# Altium PCB MB1367C-for mechanical-drawing.PcbDoc (part 4 of 5)
Units mm, origin at the board's own origin, x right, y up, seen from the top; angles counter-clockwise.
Board outline 70 x 82.5 mm, 4 copper layers (Top Layer, Signal Layer 1, Signal Layer 2, Bottom Layer), stack 1.614 mm thick; 191 components, 143 nets, 808 pads, 920 vias.
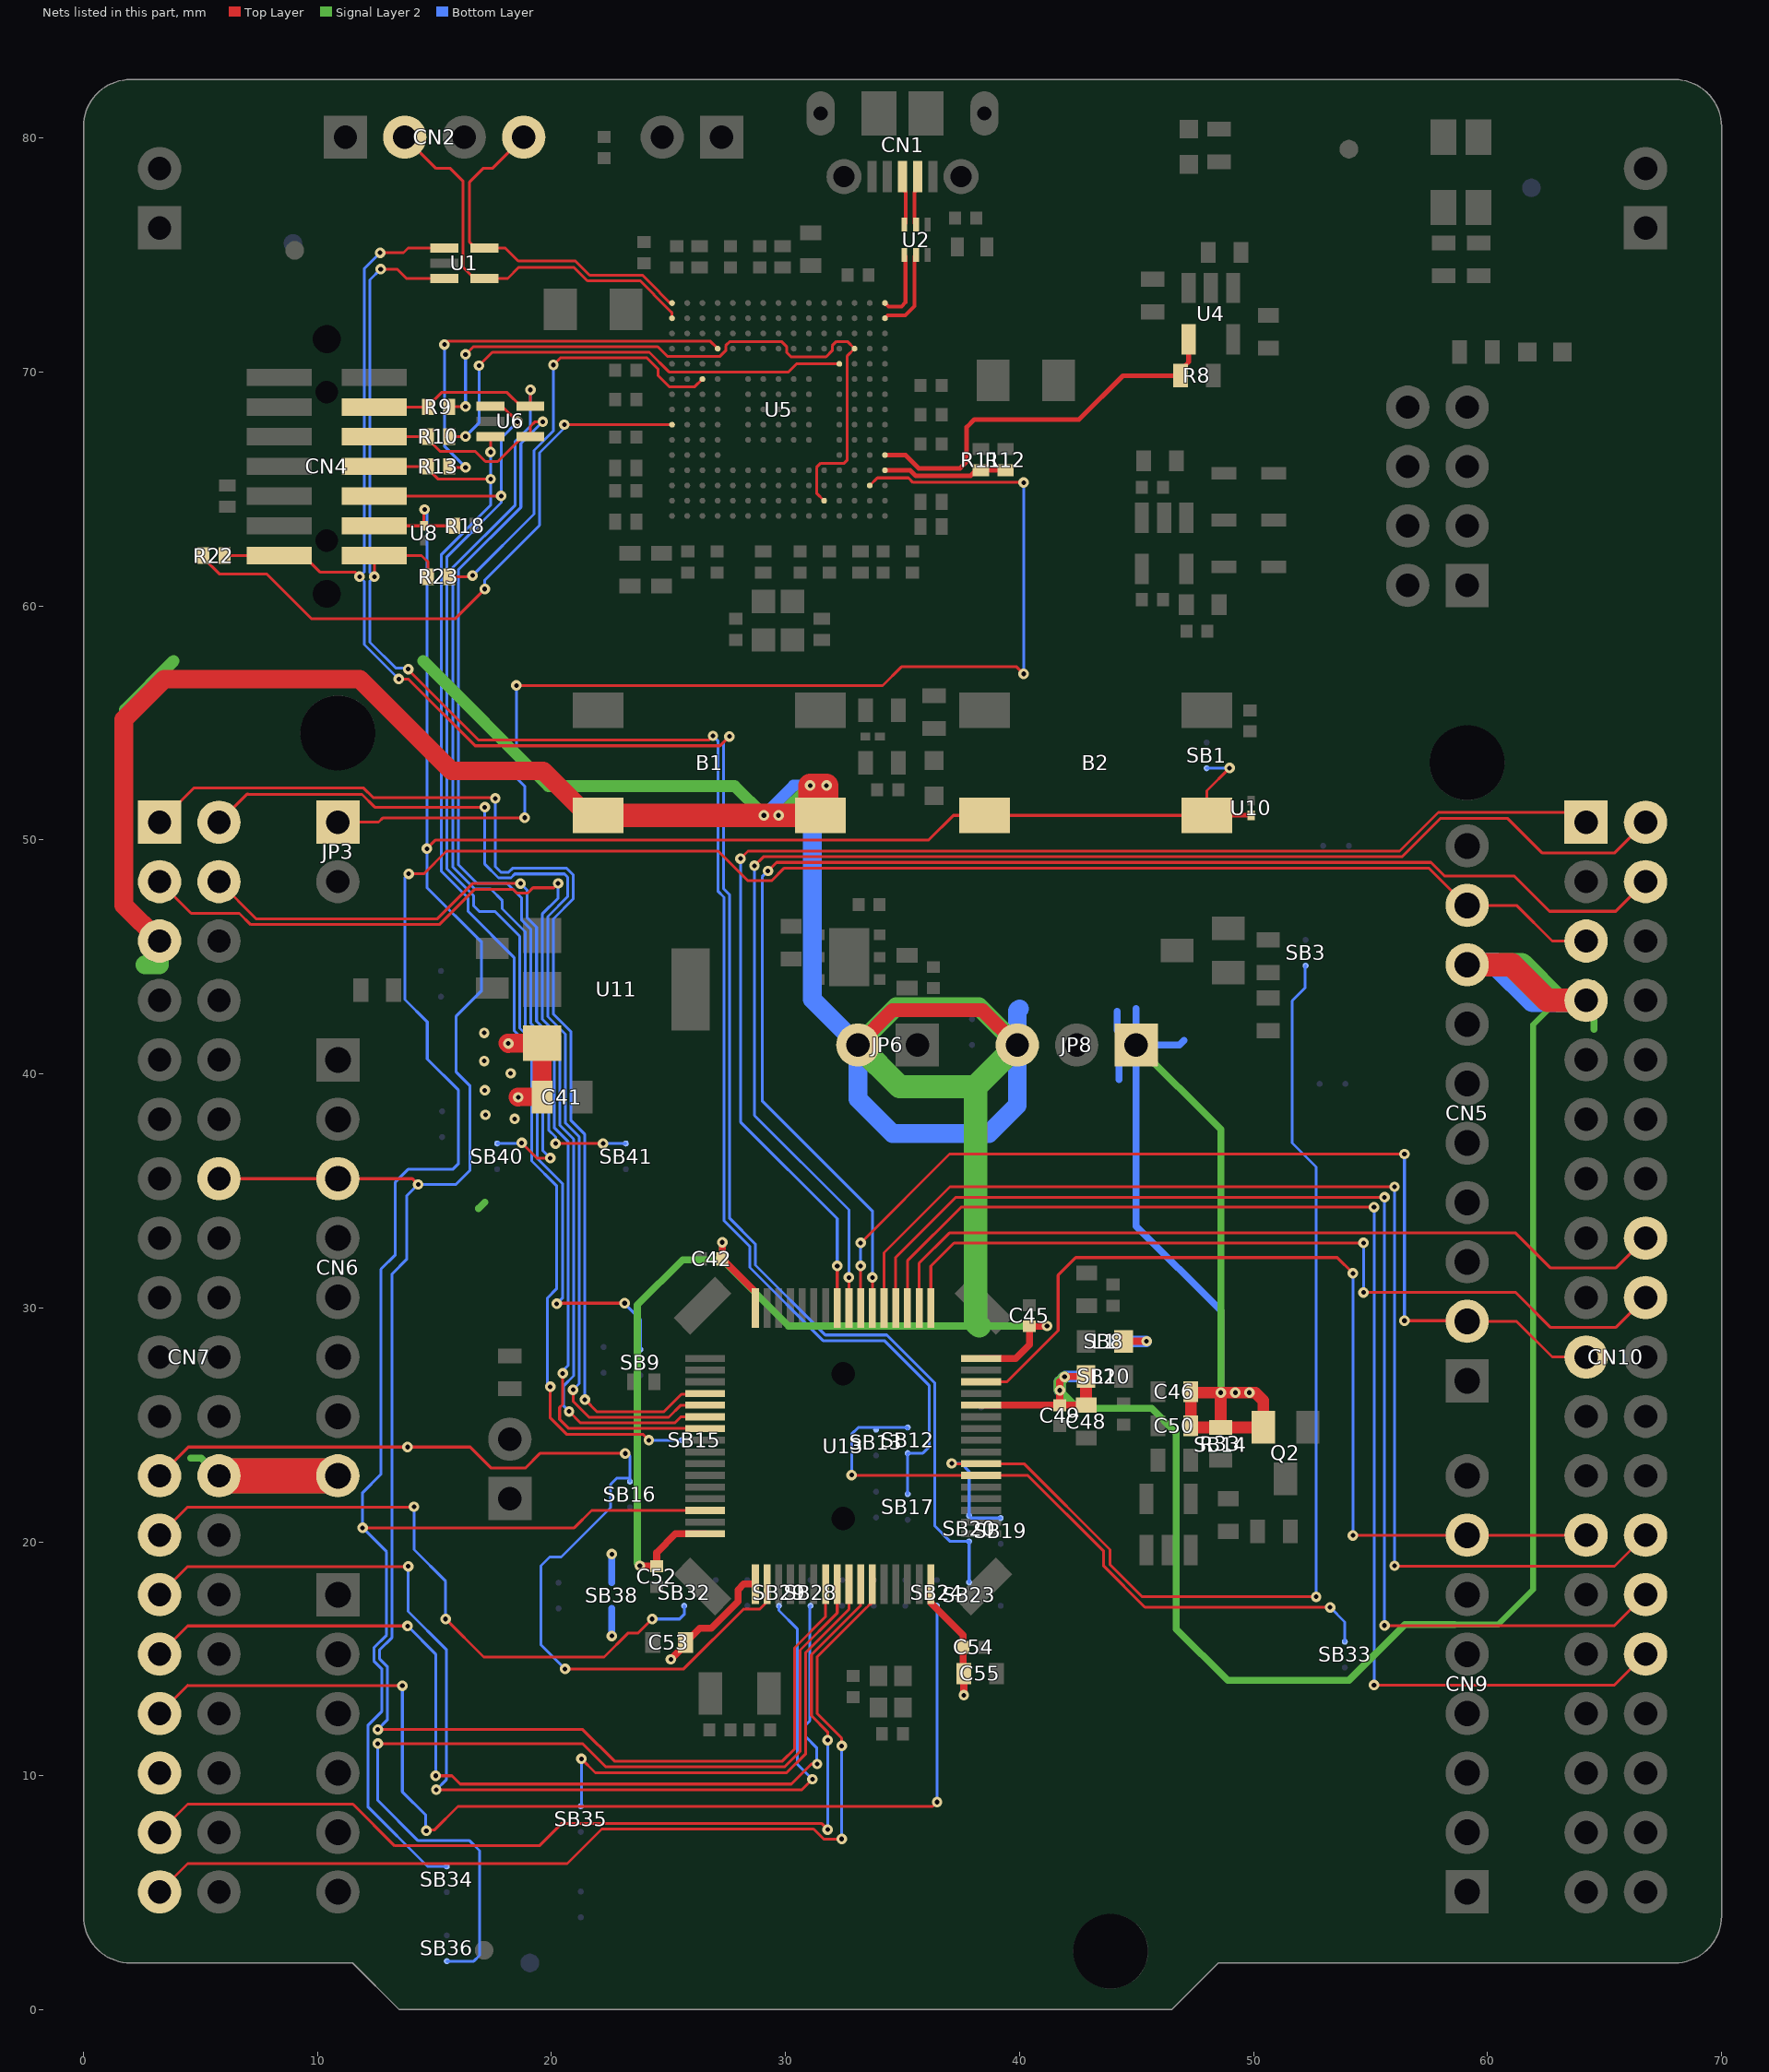
[diagram p6: the nets of this part, all layers, seen from the top]

## Via types
v1: diameter 0.45, hole 0.2, Top Layer to Bottom Layer, tented both sides, 920 vias

## Nets (pads, with @x,y where several pads share a name; then routed paths per layer and width w, separated by ;. In a path a pad name is that pad's centre, name@x,y a point inside that pad or via, vN(x,y) a via of type N, cw(c..) or ccw(c..) an arc to the next point about the centre after c; other vN are vias at no path point) (continued)
PB9: CN5.9 CN10.5 SB34.2 U13.62 | length 116.9
  Top Layer w0.12: v1(11.925,20.6) 20.975,20.6 21.715,21.34 U13.62@26.56,21.34 ; v1(13.895,48.55) 14.539,48.55 15.509,49.52 27.13,49.52 28.38,48.27 29.418,48.27 29.948,48.8 57.486,48.8 59.082,47.204 CN5.9@59.13,47.204 61.241,47.204 62.765,45.68 CN10.5@64.21,45.68
  Bottom Layer w0.12: v1(13.895,48.55) 13.736,48.391 13.736,43.175 14.69,42.221 14.69,40.637 16.025,39.302 16.025,36.17 15.775,35.92 13.866,35.92 13.325,35.379 13.325,32.268 12.71,31.653 12.71,22.885 11.925,22.1 v1(11.925,20.6) 12.95,19.575 12.95,16.014 12.405,15.469 12.405,14.908 12.74,14.573 12.74,12.74 12.15,12.15 12.15,8.675 14.7,6.125 SB34.2@15.525,6.125
PB10: CN9.7 CN10.25 U13.30 | length 40.9
  Top Layer w0.12: U13.30@38.36,26.84 39.465,26.84 41.65,29.025 41.65,31.4 42.4,32.15 53.575,32.15 v1(54.25,31.475) ; v1(54.25,20.275) 55.55,20.275 55.555,20.28 CN9.7@59.13,20.28 CN10.25@64.21,20.28
  Bottom Layer w0.12: v1(54.25,20.275) v1(54.25,31.475)
PB11: CN10.18 U13.33 | length 36
  Top Layer w0.12: U13.33@36.21,29.99 36.21,31.785 37.2,32.775 v1(54.7,32.775) ; v1(54.7,30.66) 61.2,30.66 62.7,29.16 65.47,29.16 CN10.18@66.75,30.44
  Bottom Layer w0.12: v1(54.7,30.66) v1(54.7,32.775)
PB12: CN10.16 U13.34 | length 34.6
  Top Layer w0.12: U13.34@35.71,29.99 35.71,31.91 37,33.2 61.2,33.2 62.7,31.7 65.47,31.7 CN10.16@66.75,32.98
PB13: CN10.30 U13.35 | length 55.5
  Top Layer w0.12: U13.35@35.21,29.99 35.21,32.01 37.5,34.3 v1(55.15,34.3) ; v1(55.15,13.875) 55.595,13.875 55.6,13.88 65.43,13.88 CN10.30@66.75,15.2
  Bottom Layer w0.12: v1(55.15,13.875) v1(55.15,34.3)
PB14: CN10.28 U13.36 | length 54.1
  Top Layer w0.12: U13.36@34.71,29.99 34.71,32.16 37.275,34.725 v1(55.6,34.725) ; v1(55.6,16.425) 55.605,16.42 65.43,16.42 CN10.28@66.75,17.74
  Bottom Layer w0.12: v1(55.6,16.425) v1(55.6,34.725)
PB15: CN10.26 U13.37 | length 52.8
  Top Layer w0.12: U13.37@34.21,29.99 34.21,32.36 37.025,35.175 v1(56.025,35.175) ; v1(56.025,18.975) 56.04,18.96 65.43,18.96 CN10.26@66.75,20.28
  Bottom Layer w0.12: v1(56.025,18.975) v1(56.025,35.175)
PC0: SB36.1 U13.8 | length 40.2
  Top Layer w0.12: v1(12.575,11.375) 21.325,11.375 22.315,10.385 29.967,10.385 30.625,11.043 30.625,15.372 32.21,16.957 U13.8@32.21,18.19
  Bottom Layer w0.12: v1(12.575,11.375) 12.575,8.95 14.3,7.225 16.5,7.225 16.925,6.8 16.925,2.325 16.675,2.075 SB36.1@15.525,2.075
PC1: SB35.1 U13.9 | length 20.2
  Top Layer w0.12: v1(21.275,10.725) 21.875,10.125 30.046,10.125 30.865,10.944 30.865,15.273 32.71,17.118 U13.9@32.71,18.19
  Bottom Layer w0.12: SB35.1@21.25,8.7 21.275,8.725 v1(21.275,10.725)
PC2: CN7.35 U13.10 | length 41.9
  Top Layer w0.12: CN7.35@3.25,7.58 4.455,8.785 11.515,8.785 13.295,7.005 19.48,7.005 20.44,7.965 31.535,7.965 v1(31.8,7.7) ; v1(31.8,11.525) 31.8,11.874 31.105,12.569 31.105,15.173 33.21,17.278 U13.10@33.21,18.19
  Bottom Layer w0.12: v1(31.8,7.7) v1(31.8,11.525)
PC3: CN7.37 U13.11 | length 42.8
  Top Layer w0.12: CN7.37@3.25,5.04 4.455,6.245 20.672,6.245 22.152,7.725 31.2,7.725 31.63,7.295 32.38,7.295 32.4,7.275 v1(32.4,7.3) ; v1(32.4,11.275) 32.4,11.613 31.345,12.668 31.345,15.074 33.431,17.16 33.435,17.16 33.54,17.265 33.54,17.269 33.586,17.315 33.615,17.315 33.71,17.41 U13.11@33.71,18.19
  Bottom Layer w0.12: v1(32.4,7.3) v1(32.4,11.275)
PC4: SB12.2 SB13.1 SB33.2 U13.22 | length 29.3
  Top Layer w0.12: v1(32.825,22.85) 32.835,22.84 40.353,22.84 43.595,19.598 43.595,18.962 45.357,17.2 v1(53.275,17.2)
  Bottom Layer w0.12: v1@32.825,22.825 v1(32.825,22.85) 32.825,24.6 33.115,24.89 SB12.2@35.22,24.89 SB12.2@35.22,24.805 ; v1(53.275,17.2) 53.9,16.575 SB33.2@53.9,15.725
PC5: SB3.2 SB19.1 SB20.2 U13.23 | length 50.1
  Top Layer w0.12: v1@37.075,23.35 37.085,23.34 40.193,23.34 43.87,19.663 43.87,19.026 45.246,17.65 v1(52.675,17.65)
  Bottom Layer w0.12: v1(37.1,23.35) 37.5,23.35 37.845,23.005 SB20.2@37.845,21.115 37.945,21.015 SB19.1@39.195,21.015 ; SB3.2@52.225,44.625 52.2,44.6 52.2,43.675 51.65,43.125 51.65,37.05 52.675,36.025 v1(52.675,17.65)
PC6: CN10.4 U13.38 | length 59.8
  Top Layer w0.12: v1(29.25,48.675) 29.615,49.04 57.585,49.04 58.175,48.45 61.15,48.45 62.65,46.95 65.48,46.95 CN10.4@66.75,48.22 ; U13.38@33.71,29.99 v1(33.71,31.3)
  Bottom Layer w0.12: v1(29.25,48.675) 29,48.425 29,38.85 33.71,34.14 v1(33.71,31.3)
PC7: CN5.2 CN10.19 U13.39 | length 43.1
  Top Layer w0.12: U13.39@33.21,29.99 v1(33.21,31.79) ; v1(33.21,32.775) 37.01,36.575 v1(56.45,36.575) ; v1(56.45,29.45) 59.104,29.45 CN5.2@59.13,29.424 61.241,29.424 62.765,27.9 CN10.19@64.21,27.9
  Bottom Layer w0.12: v1(33.21,31.79) v1(33.21,32.775) ; v1(56.45,29.45) v1(56.45,36.575)
PC8: CN10.2 U13.40 | length 60.7
  Top Layer w0.12: v1(28.673,48.9) 29.053,49.28 56.344,49.28 57.993,50.929 60.846,50.929 62.325,49.45 65.44,49.45 CN10.2@66.75,50.76 ; U13.40@32.71,29.99 v1(32.71,31.3)
  Bottom Layer w0.12: v1(28.673,48.9) 28.675,48.902 28.675,38.225 32.71,34.19 v1(32.71,31.3)
PC9: CN10.1 U13.41 | length 58
  Top Layer w0.12: v1(28.075,49.2) 28.395,49.52 56.245,49.52 57.9,51.175 63.795,51.175 CN10.1@64.21,50.76 ; U13.41@32.21,29.99 v1(32.21,31.79)
  Bottom Layer w0.12: v1(28.075,49.2) 28.075,37.95 32.21,33.815 v1(32.21,31.79)
PC10: CN7.1 U13.52 | length 50.7
  Top Layer w0.12: CN7.1@3.25,50.76 4.705,52.215 11.972,52.215 12.382,51.805 17.566,51.805 v1(17.596,51.775) ; v1(21.425,26.075) 21.94,25.56 24.8,25.56 25.55,26.31 26.56,26.31 U13.52@26.56,26.34
  Bottom Layer w0.12: v1(17.596,51.775) 17.596,48.86 17.833,48.622 18.169,48.622 18.334,48.787 20.649,48.787 20.93,48.507 20.93,47.478 20.08,46.628 20.08,42.551 20.835,41.796 20.835,38.001 21.425,37.411 v1(21.425,26.075)
PC11: CN7.2 U13.53 | length 48
  Top Layer w0.12: CN7.2@5.79,50.76 7.005,51.975 7.035,51.945 11.903,51.945 12.448,51.4 v1(17.15,51.4) ; v1(20.925,26.5) 20.925,26.002 21.607,25.32 25.005,25.32 25.525,25.84 U13.53@26.56,25.84
  Bottom Layer w0.12: v1(17.15,51.4) 17.15,48.966 17.734,48.382 18.268,48.382 18.433,48.547 20.55,48.547 20.69,48.407 20.69,47.578 19.84,46.728 19.84,42.451 20.595,41.696 20.595,37.901 21.185,37.311 21.185,26.76 v1(20.925,26.5)
PC12: CN7.3 U13.54 | length 48.5
  Top Layer w0.12: CN7.3@3.25,48.22 4.605,46.865 6.66,46.865 7.145,46.38 15.208,46.38 16.723,47.895 18.344,47.895 18.509,47.73 18.98,47.73 19.205,47.955 20.098,47.955 v1(20.285,48.142) ; v1(20.75,25.575) 21.245,25.08 25.265,25.08 25.525,25.34 U13.54@26.56,25.34
  Bottom Layer w0.12: v1(20.285,48.142) 20.275,48.15 20.275,47.502 19.6,46.827 19.6,42.352 20.355,41.597 20.355,37.802 20.945,37.212 20.945,27.093 20.52,26.668 20.52,25.805 v1(20.75,25.575)
PC13: CN7.23 SB16.2 U13.2 | length 43.7
  Top Layer w0.12: CN7.23@3.25,22.82 4.48,24.05 v1(13.85,24.05) 16.525,24.05 17.425,23.15 18.875,23.15 19.501,23.776 v1(23.151,23.776) ; v1(20.575,14.57) 25.65,14.57 28.205,17.125 28.9,17.125 29.21,17.435 U13.2@29.21,18.19
  Bottom Layer w0.12: v1(20.575,14.57) 19.55,15.595 19.55,18.975 19.925,19.35 20.417,19.35 22.525,21.458 22.525,22.45 22.8,22.725 23.35,22.725 ; v1(23.151,23.776) 23.249,23.776 23.35,23.675 23.35,22.725 ; SB16.2@23.35,22.575 23.35,22.725
PC14: CN7.25 SB32.1 | length 28.7
  Top Layer w0.12: CN7.25@3.25,20.28 4.455,21.485 14.11,21.485 v1(14.125,21.5) ; v1(15.475,16.7) 17.1,15.075 22.248,15.075 23.278,16.105 23.705,16.105 v1(24.3,16.7)
  Bottom Layer w0.12: v1(14.125,21.5) 14.125,19.664 15.475,18.314 v1(15.475,16.7) ; v1(24.3,16.7) 25.475,16.7 25.67,16.895 SB32.1@25.67,17.265
PC15: CN7.27 SB29.1 | length 45.8
  Top Layer w0.12: CN7.27@3.25,17.74 4.455,18.945 13.87,18.945 v1(13.875,18.95) ; v1(15.075,9.4) 15.08,9.405 30.705,9.405 v1(31.15,9.85)
  Bottom Layer w0.12: v1(13.875,18.95) 13.875,17.025 15.5,15.4 15.5,9.825 v1(15.075,9.4) ; SB29.1@29.72,17.265 29.72,17.065 30.5,16.285 30.5,10.5 v1(31.15,9.85)
PD2: CN7.4 U13.55 | length 44.4
  Top Layer w0.12: CN7.4@5.79,48.22 7.39,46.62 15.108,46.62 16.624,48.135 v1(18.677,48.135) ; v1(20.476,27.201) 20.476,25.874 20.345,25.743 20.345,25.234 20.739,24.84 U13.55@26.56,24.84
  Bottom Layer w0.12: v1(18.677,48.135) 18.965,47.847 18.965,46.666 19.36,46.271 19.36,42.252 20.115,41.497 20.115,37.702 20.705,37.112 20.705,27.53 20.476,27.301 v1(20.476,27.201)
PF0: CN7.29 SB28.1 | length 41.9
  Top Layer w0.12: CN7.29@3.25,15.2 4.455,16.405 13.845,16.405 v1(13.85,16.4) ; v1(15.05,10) 15.742,10 16.097,9.645 30.245,9.645 31.101,10.501 v1(31.352,10.501)
  Bottom Layer w0.12: v1(13.85,16.4) 15.05,15.2 v1(15.05,10) ; SB28.1@31.07,17.265 31.035,17.23 31.035,12.35 30.865,12.18 30.865,11.662 31.325,11.202 31.325,10.527 v1(31.352,10.501)
PF1: CN7.31 SB24.1 | length 48.3
  Top Layer w0.12: CN7.31@3.25,12.66 4.455,13.865 4.47,13.85 v1(13.625,13.85) ; v1(14.651,7.65) 14.675,7.675 14.989,7.675 15.999,8.685 36.285,8.685 v1(36.475,8.875)
  Bottom Layer w0.12: v1(13.625,13.85) 13.625,9.313 14.625,8.312 14.625,7.65 v1(14.651,7.65) ; SB24.1@36.47,17.265 36.425,17.22 36.475,17.17 v1(36.475,8.875)
STLK_SWCLK: CN2.2 U1.4 U5.A14 | length 17.3
  Top Layer w0.12: CN2.2@13.73,80.04 15.07,78.7 15.675,78.7 16.225,78.15 16.225,74.475 16.7,74 U1.4@17.125,74 18.125,74 18.605,74.48 20.95,74.48 21.53,73.9 23.795,73.9 24.375,73.32 24.375,73.294 25.024,72.645 25.03,72.645 25.15,72.525 U5.A14@25.15,72.3
STLK_SWDIO: CN2.4 U1.5 U5.A15 | length 15.4
  Top Layer w0.12: CN2.4@18.81,80.04 17.47,78.7 17.075,78.7 16.5,78.125 16.5,75.55 16.75,75.3 U1.5@17.125,75.3 18.025,75.3 18.575,74.75 21.019,74.75 21.629,74.14 23.894,74.14 24.615,73.419 24.615,73.399 25.064,72.95 U5.A15@25.15,72.95
STLK_VCP_RX: R23.1 U5.C10 | length 18.8
  Top Layer w0.12: R23.1@15.625,61.25 16.575,61.25 v1(16.627,61.302) ; v1(20.08,70.305) 20.075,70.305 20.375,70.605 24.081,70.605 24.555,70.13 24.555,69.845 25.025,69.375 26.125,69.375 U5.C10@26.45,69.7
  Bottom Layer w0.12: v1(16.627,61.302) 19.25,63.925 19.25,66.65 20.08,67.48 v1(20.08,70.305)
STLK_VCP_TX: R22.1 U5.A7 | length 26.8
  Top Layer w0.12: R22.1@5.125,62.15 5.125,62.05 5.8,61.375 7.825,61.375 9.75,59.45 15.875,59.45 v1(17.15,60.725) ; v1(20.55,67.75) U5.A7@25.15,67.75
  Bottom Layer w0.12: v1(17.15,60.725) 17.15,61.111 19.49,63.451 19.49,66.551 20.55,67.611 v1(20.55,67.75)
T_JTDI: CN4.10 SB9.1 U6.1 | length 53.5
  Top Layer w0.12: CN4.10@12.427,64.695 17.845,64.695 v1(17.85,64.7) ; U6.1@17.395,68.54 17.885,68.54 v1(18.55,67.875) ; v1(20.225,30.175) 20.25,30.2 v1(23.125,30.2)
  Bottom Layer w0.12: v1(18.55,67.875) 17.85,67.175 v1(17.85,64.7) 17.85,64.42 15.535,62.105 15.535,48.751 16.67,47.616 16.67,47.182 16.907,46.945 17.578,46.945 18.64,45.883 18.64,41.954 19.395,41.199 19.395,36.38 20.465,35.31 20.465,30.415 v1(20.225,30.175) ; v1(23.125,30.2) 23.1,30.2 23.795,29.505 SB9.1@23.795,28.215
T_NRST: B2.1 B2.2 CN4.12 CN6.3 CN7.14 R18.2 SB1.2 U8.1 U10.1 U13.7 | length 134.8
  Top Layer w0.12: CN7.14@5.79,35.52 CN6.3@10.87,35.52 14.055,35.52 v1(14.3,35.275) ; CN4.12@12.427,63.425 14.543,63.425 U8.1@14.545,63.427 ; v1(12.575,11.975) 21.336,11.975 22.686,10.625 29.867,10.625 30.385,11.143 30.385,15.471 31.71,16.796 U13.7@31.71,18.19 ; v1(14.575,64.125) 14.545,64.095 U8.1@14.545,63.427 ; v1(14.675,49.625) 15.05,50 36.125,50 37.175,51.05 B2.2@38.505,51.05 B2.1@48.005,51.05 ; R18.2@15.85,63.425 14.547,63.425 U8.1@14.545,63.427 ; B2.1@48.008,51.052 B2.1@48.005,51.05 ; v1(48.975,53.075) 48.005,52.105 B2.1@48.005,51.05
  Top Layer w0.2: B2.1@48.008,51.052 U10.1@49.895,51.052
  Bottom Layer w0.12: v1(12.575,11.975) 12.98,12.38 12.98,14.672 12.645,15.007 12.645,15.37 13.19,15.915 13.19,31.454 13.805,32.069 13.805,34.78 v1(14.3,35.275) 15.913,35.275 16.505,35.867 16.505,39.501 15.93,40.076 15.93,42.475 17.01,43.555 17.01,45.631 14.675,47.966 v1(14.675,49.625) 14.675,64.025 v1(14.575,64.125) ; SB1.2@47.995,53.065 48.965,53.065 v1(48.975,53.075)
T_NRSTa: JP3.1 U5.P3 | length 51
  Top Layer w0.12: JP3.1@10.87,50.76 12.61,50.76 12.8,50.95 v1(18.85,50.95) ; v1(18.5,56.6) 34.15,56.6 34.95,57.4 39.875,57.4 v1(40.175,57.1) ; U5.P3@33.6,65.15 33.925,65.475 35.251,65.475 35.446,65.28 40.145,65.28 40.15,65.275 v1(40.175,65.275)
  Bottom Layer w0.12: v1(18.5,56.6) 18.5,52.65 18.85,52.3 v1(18.85,50.95) ; v1(40.175,57.1) v1(40.175,65.275)
T_PWR_EN: R8.1 U4.4 U5.R5 | length 17.1
  Top Layer w0.2: U5.R5@34.25,66.45 35.125,66.45 35.695,65.88 37.455,65.88 37.745,66.17 37.745,67.645 38.075,67.975 42.55,67.975 44.42,69.845 R8.1@46.885,69.845 46.885,70.085 47.225,70.425 U4.4@47.225,71.395
T_PWR_EXT: R11.2 R12.2 U5.R4 | length 5.3
  Top Layer w0.2: U5.R4@34.25,65.8 35.322,65.8 35.562,65.56 37.91,65.56 38.15,65.8 R11.2@38.35,65.8 R12.2@39.4,65.8
T_SWCLK: CN4.6 R10.2 SB41.1 U6.4 | length 46.5
  Top Layer w0.12: CN4.6@12.427,67.235 14.715,67.235 R10.2@14.72,67.24 14.72,67.13 15.25,66.6 16.75,66.6 17.175,66.175 17.7,66.175 18.765,67.24 U6.4@19.095,67.24 19.095,67.67 19.3,67.875 v1(19.625,67.875) ; v1(20.175,37.025) v1(22.2,37.025)
  Bottom Layer w0.12: v1(19.625,67.875) 18.69,66.94 18.69,64.215 16.015,61.54 16.015,48.95 16.823,48.142 18.097,48.142 18.725,47.514 18.725,46.567 19.12,46.172 19.12,42.153 19.875,41.398 19.875,37.603 20.175,37.303 v1(20.175,37.025) ; v1(22.2,37.025) SB41.1@23.175,37.025
T_SWCLKa: R10.1 U5.M11 | length 20.1
  Top Layer w0.12: R10.1@15.62,67.24 16.315,67.24 v1(16.325,67.25) ; v1(16.9,70.275) 17.47,70.845 24.18,70.845 25.02,70.005 30.13,70.005 30.475,70.35 U5.M11@32.3,70.35
  Bottom Layer w0.12: v1(16.325,67.25) 16.9,67.825 v1(16.9,70.275)
T_SWDIO: CN4.4 R9.2 SB40.1 U6.5 | length 47
  Top Layer w0.12: CN4.4@12.427,68.505 R9.2@14.71,68.505 ; R9.2@14.75,68.525 14.75,68.575 15.3,69.125 18.1,69.125 18.685,68.54 U6.5@19.095,68.54 19.095,69.345 19.1,69.34 v1(19.1,69.24) ; v1(18.725,37.05) 19.375,36.4 v1(19.95,36.4)
  Bottom Layer w0.12: SB40.1@17.675,37.025 18.7,37.025 v1(18.725,37.05) ; v1(19.1,69.24) 19.1,67.689 18.45,67.039 18.45,64.314 15.775,61.639 15.775,48.851 16.723,47.902 17.4,47.902 17.9,47.403 17.895,47.398 17.895,47.057 18.88,46.072 18.88,42.054 19.635,41.299 19.635,36.715 v1(19.95,36.4)
T_SWDIOa: R9.1 U5.L2 U5.N12 | length 29.1
  Top Layer w0.12: R9.1@15.62,68.515 16.315,68.515 v1(16.325,68.525) ; v1(16.325,70.75) 16.66,71.085 24.54,71.085 24.95,70.675 27.206,70.675 27.445,70.914 27.445,71.126 27.624,71.305 29.826,71.305 30.045,71.086 30.045,70.844 30.239,70.65 31.731,70.65 31.995,70.914 31.995,71.126 32.174,71.305 32.645,71.305 U5.N12@32.95,71 32.625,70.675 32.625,66.225 32.505,66.105 31.505,66.105 31.325,65.925 31.325,64.825 U5.L2@31.65,64.5
  Bottom Layer w0.12: v1(16.325,68.525) v1(16.325,70.75)
T_SWO: CN4.8 R13.2 SB15.2 U6.3 | length 56.7
  Top Layer w0.12: CN4.8@12.427,65.965 R13.2@14.72,65.965 14.72,65.855 15.14,65.435 17.39,65.435 v1(17.4,65.425) ; U6.3@17.015,67.24 U6.3@17.395,67.24 v1(17.395,66.58) ; v1(19.95,26.625) 19.95,25.289 20.639,24.6 23.9,24.6 v1(24.16,24.34)
  Bottom Layer w0.12: v1@17.395,66.575 v1(17.395,66.58) ; v1@17.4,66.575 v1(17.4,65.425) 17.4,64.309 15.295,62.204 15.295,48.652 16.43,47.517 16.43,46.947 18.4,44.977 18.4,41.855 19.155,41.1 19.155,36.281 20.225,35.211 20.225,30.825 19.82,30.42 19.82,26.755 v1(19.95,26.625) ; v1(24.16,24.34) SB15.2@25.545,24.34
T_SWOa: R13.1 U5.D12 | length 18.3
  Top Layer w0.12: v1(15.425,71.175) 15.575,71.325 26.775,71.325 U5.D12@27.1,71 ; R13.1@15.62,65.965 15.66,65.925 v1(16.325,65.925) v1@16.425,65.925
  Bottom Layer w0.12: v1(15.425,71.175) 15.42,71.17 15.42,66.83 v1(16.325,65.925)
T_VCP_RX: CN4.13 R22.2 SB20.1 SB23.1 U1.1 | length 86.4
  Top Layer w0.12: R22.2@6.025,62.15 8.358,62.15 8.37,62.138 8.375,62.143 9.407,62.143 10.1,61.45 11.6,61.45 v1(11.8,61.25) ; v1(12.675,75.1) 13.675,75.1 13.875,75.3 U1.1@15.425,75.3 ; v1(13.475,56.875) 13.886,56.875 16.736,54.025 27.2,54.025 v1(27.6,54.425)
  Bottom Layer w0.12: v1(12.675,75.1) 12,74.425 12,61.45 v1(11.8,61.25) 12,61.05 12,58.35 v1(13.475,56.875) ; v1(27.6,54.425) 27.35,54.175 27.35,47.914 27.615,47.649 27.615,33.824 28.715,32.724 28.715,31.824 31.699,28.84 34.324,28.84 36.375,26.789 36.375,20.675 37.035,20.015 SB20.1@37.845,20.015 SB23.1@37.845,18.265
T_VCP_TX: CN4.14 R23.2 SB12.1 SB17.1 U1.3 | length 78.3
  Top Layer w0.12: v1(12.425,61.25) v1(12.425,61.25) CN4.14@12.427,62.155 14.445,62.155 14.725,61.875 R23.2@14.725,61.25 ; v1(12.7,74.4) 13.4,74.4 13.8,74 U1.3@15.425,74 ; v1(13.875,57.3) 13.95,57.375 13.95,57.2 16.885,54.265 26.715,54.265 v1(26.9,54.45)
  Bottom Layer w0.12: v1(12.7,74.4) 12.24,73.94 12.24,61.435 v1(12.425,61.25) 12.24,61.065 12.24,58.449 13.345,57.345 13.83,57.345 v1(13.875,57.3) ; v1(26.9,54.45) 27.11,54.24 27.11,47.815 27.375,47.55 27.375,33.725 28.475,32.625 28.475,31.725 31.6,28.6 34.225,28.6 36.135,26.69 36.135,24.055 35.87,23.79 SB12.1@35.22,23.79 SB17.1@35.22,22.04
USB_DEV_HS_CN_N: CN1.2 U2.5 | length 2.1
  Top Layer w0.16: U2.5@35.575,76.3 35.518,76.357 35.518,77.693 35.65,77.825 CN1.2@35.65,78.35
USB_DEV_HS_CN_P: CN1.3 U2.6 | length 2.1
  Top Layer w0.16: CN1.3@35,78.35 35,77.825 35.132,77.693 35.132,76.357 U2.6@35.075,76.3
USB_DEV_HS_N: U2.2 U5.R14 | length 3.7
  Top Layer w0.16: U5.R14@34.25,72.3 34.364,72.414 35.114,72.414 35.518,72.818 35.518,74.943 U2.2@35.575,75
USB_DEV_HS_P: U2.1 U5.R15 | length 3.1
  Top Layer w0.16: U5.R15@34.25,72.95 34.4,72.8 34.954,72.8 35.125,72.971 35.125,74.95 U2.1@35.075,75
VBAT: C53.2 CN7.33 SB38.2 U13.1 | length 6.5
  Top Layer w0.3: v1(25.1,14.975) 25.725,15.6 C53.2@25.725,15.7 26.33,16.305 26.825,16.305 27.967,17.448 27.967,17.942 28.215,18.19 U13.1@28.71,18.19
  Bottom Layer w0.3: v1(22.575,15.975) SB38.2@22.575,17.15
VDD: B1.1 B1.2 C42.2 C45.2 C52.2 C54.2 C55.2 CN7.5 JP6.2 JP8.3 L1.1 SB8.1 SB38.1 U13.16 U13.32 U13.48 U13.64 | length 201.2
  Top Layer w0.3: v1(23.775,18.975) 23.785,18.965 C52.2@24.495,18.965 24.495,19.545 25.29,20.34 U13.64@26.56,20.34 ; v1(27.3,32.8) 27.295,32.795 C42.2@27.295,32.09 27.31,32.09 28.71,30.69 U13.48@28.71,29.99 ; U13.16@36.21,18.19 36.21,17.39 37.595,16.005 C54.2@37.595,15.49 37.595,14.39 C55.2@37.62,14.365 v1(37.62,13.445) ; U13.32@38.36,27.84 39.84,27.84 40.42,28.42 C45.2@40.42,29.215 41.185,29.215 v1(41.175,29.225) ; L1.1@44.445,28.565 44.455,28.575 v1(45.425,28.575)
  Top Layer w0.6: JP6.2@33.095,41.235 33.095,41.252 34.568,42.725 38.415,42.725 JP8.3@39.905,41.235
  Top Layer w0.8: CN7.5@3.25,45.68 1.725,47.205 1.725,55.15 3.45,56.875 11.8,56.875 15.725,52.95 19.65,52.95 B1.2@21.55,51.05
  Top Layer w1: B1.2@21.55,51.05 B1.2@21.995,51.05 v1(29.7,51.05) B1.1@31.495,51.05 ; B1.1@31.495,51.05 31.75,51.305 v1(31.75,52.325) v1(31.05,52.325) 31.05,51.495 B1.1@31.495,51.05
  Signal Layer 2 w0.3: v1(23.775,18.975) 23.665,19.085 23.665,30.115 25.6,32.05 27.3,32.05 ; v1(27.3,32.8) 27.3,32.05 ; v1(41.175,29.225) 38.275,29.225 30.125,29.225 27.3,32.05
  Signal Layer 2 w0.5: CN7.5@3.25,45.68 1.77,47.16 1.77,55.57 3.85,57.65 ; 14.515,57.65 19.865,52.3 27.825,52.3 v1(29.075,51.05) 29.775,51.05 v1(31.05,52.325) v1(31.75,52.325)
  Signal Layer 2 w0.8: 2.618,44.665 3.25,44.665 CN7.5@3.25,45.68 ; JP6.2@33.095,41.235 34.735,42.875 38.265,42.875 JP8.3@39.905,41.235
  Signal Layer 2 w1: JP6.2@33.095,41.235 34.88,39.45 38.12,39.45 ; 38.275,29.225 38.12,29.38 38.12,39.45 ; JP8.3@39.905,41.235 38.12,39.45